# Altium PCB openmv-ae3.PcbDoc (part 4 of 5)
Units mil, origin at the board's own origin, x right, y up, seen from the top; angles counter-clockwise.
Board outline 1400 x 1750 mil, 10 copper layers (Top, L2G, L3V, L4P, L5H, L6V, L7P, L8H, L9G, Bottom Layer), stack 46.28 mil thick; 351 components, 311 nets, 1344 pads, 643 vias.
Unrouted connection lines stored in the file: 8.
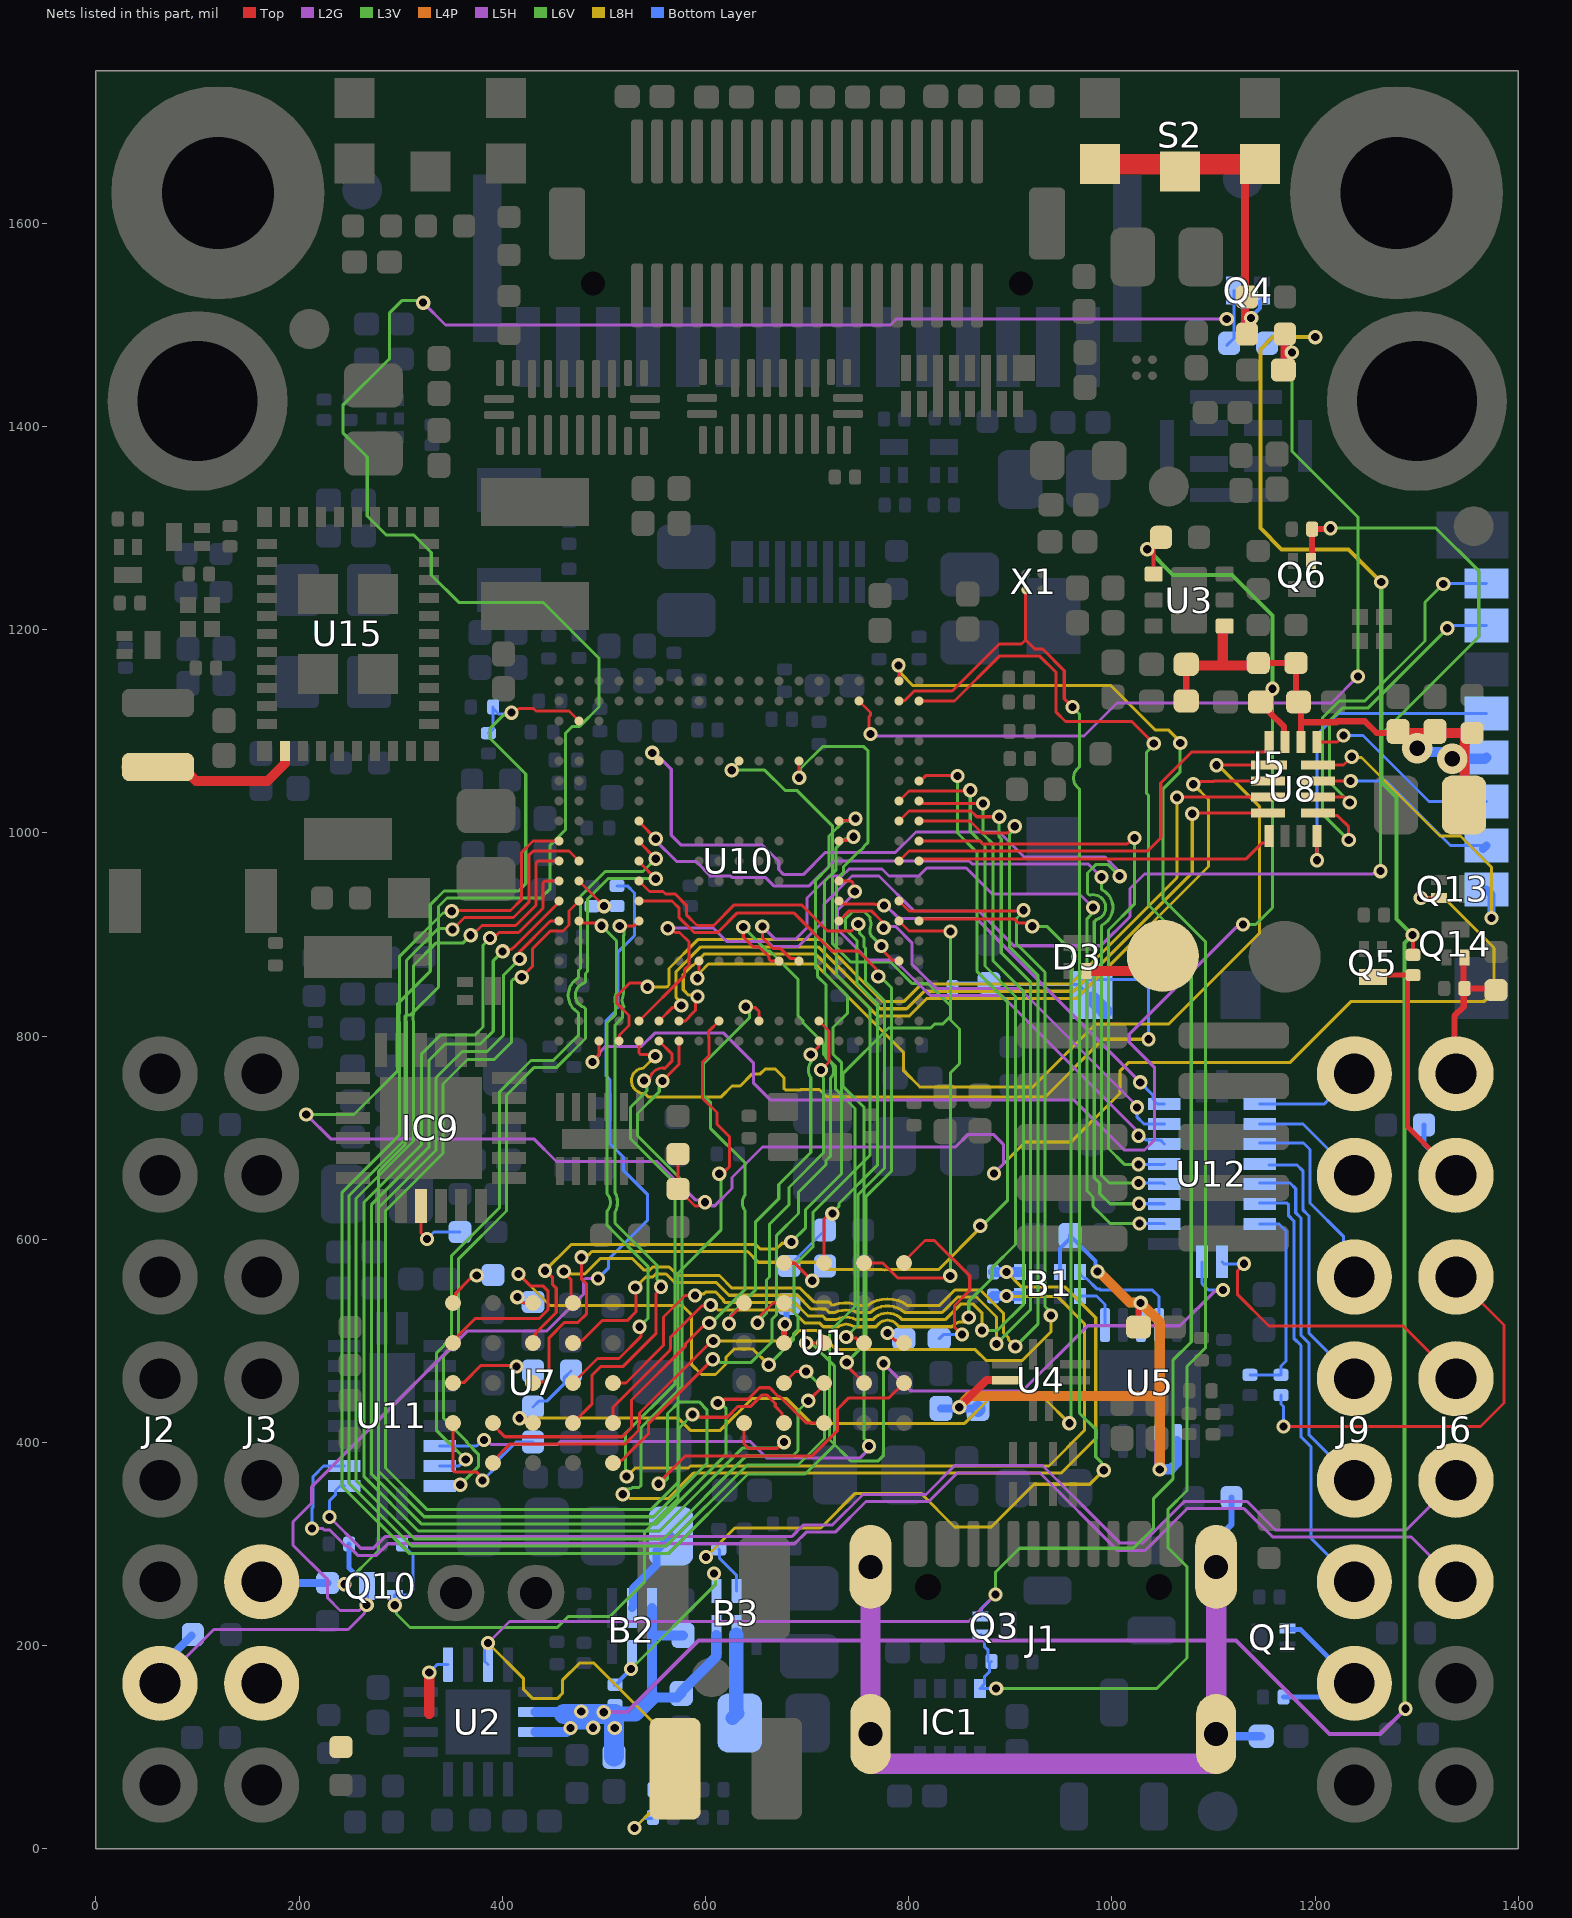
[diagram p12: the nets of this part, all layers, seen from the top]

## Via types
v1: diameter 14, hole 8, Top to Bottom Layer, tented both sides, 631 vias
v2: diameter 25, hole 15, Top to Bottom Layer, tented both sides, 7 vias
v3: diameter 30, hole 15, Top to Bottom Layer, tented both sides, 3 vias
v4: diameter 14/14/0/14/14/14/14/0/14/14 (per signal layer), hole 8, Top to Bottom Layer, tented both sides, 2 vias

## Nets (pads, with @x,y where several pads share a name; then routed paths per layer and width w, separated by ;. In a path a pad name is that pad's centre, name@x,y a point inside that pad or via, vN(x,y) a via of type N, cw(c..) or ccw(c..) an arc to the next point about the centre after c; other vN are vias at no path point) (continued)
P5_SDA_INT: U10.R10 U11.7 | length 1349.3
  Top w3: v1(625.69,1061.8) 625.69,1062.74 632.87,1069.92 U10.R10@632.87,1070.87
  L5H w3: v1(381.99,402.57) 384.67,402.57 389.25,398 454,398 457,401 644,401 660,385 752.22,385 757.09,389.87 ; 757.09,389.89 760.72,393.52 v1(760.72,396.5)
  L6V w3: v1(625.69,1061.8) 658.2,1061.8 678.07,1041.93 689.77,1041.93 725.01,1006.68 725.01,890.99 743,873 782,873 803,852 818.9,852 841,829.9 841,819.54 833.68,812.22 825.76,812.22 821.54,808 780,808 735,763 735,750.77 756.05,729.72 756.05,403.76 760.72,399.09 v1(760.72,396.5)
  Bottom Layer w3: U11.7@338.24,396.65 374.73,396.65 380.65,402.57 v1(381.99,402.57)
P6_ADC: D20.1 J2.2 Q10.3 R57.1 R86.1 | length 1369.6
  L5H w3: J2.2@62.99,162.99 116,216 248.24,216 264.3,232.06 264.3,237.98 v1(266.4,240.09) 264.5,240.09 259.14,234.74 240.26,234.74 228,247 228,265 194,299 194,322 212,340 212,356 366,510 443.9,510 479.9,546 479.9,559.74 481.66,561.5 v1(494.22,561.5)
  Bottom Layer w3: v1(494.22,561.5) 504.3,571.57 504.3,580.3 542.99,618.99 542.99,643.99 518.96,668.02 518.96,681.04 506,694 506,757 502,761 502,815.24 511.41,824.65 511.41,826.41 514,829 514,883 530,899 530,941 523.04,947.96 R57.1@512.8,947.99
  Bottom Layer w5: R86.1@249.17,300.2 249.17,276.42 255.6,269.99 261.36,269.99 266.73,264.61 Q10.3@266.73,258.86 266.4,258.53 v1(266.4,240.09)
  Bottom Layer w8: J2.2@62.99,162.99 62.99,178.99 88.52,204.52 88.59,204.52 94,209.93 D20.1@94,210
P6_ADC_ANALOG: R57.2 R58.2 U10.J18 | length 34.9
  Top w3: U10.J18@475.39,952.76 500,928.15 v1(500,928)
P6_ADC_DIGITAL: Q10.2 R85.1 U10.B11 | length 965.5
  Top w3: U10.B11@613.19,814.96 603,804.77 603,799.29 603.29,799 603.29,780.64 597,774.35 597,739 611.15,724.85 611.15,713.39 623.56,700.97 623.56,671.59 620.48,668.5 620.33,668.5 616.42,664.59 v1(613.44,664.59)
  L6V w3: v1(294.03,239.87) 295.71,238.18 295.71,231.29 309,218 454,218 465,229 506,229 540,263 540,312 573,345 573,567 615.03,609.03 615.03,663 v1(613.44,664.59)
  Bottom Layer w3: v1(294.03,239.87) 294.03,249.73 Q10.2@294.29,250 307,250 312,255 312,289.38 307.18,294.2 306.49,294.2 301.18,299.51 R85.1@301.18,300.2
P7_PWM: J6.3 U11.13 | length 1335.6
  L5H w3: v1(212.51,315.42) 223.37,315.42 224.61,314.18 229.82,314.18 246,298 248.57,298 257.57,289 275.9,289 287.34,300.44 687.56,300.44 699,311.89 727.69,311.89 757.8,342 819.76,342 847.76,370 929.1,370 1005.1,294 1032.91,294 1073.91,335 1130.1,335 1158.1,307 1294.57,307 J6.3@1338.58,262.99
  Bottom Layer w3: v1(212.51,315.42) 212.51,335.48 213.69,336.67 213.69,366.69 223.97,376.97 U11.13@244.43,376.97
P7_PWM_INT: U10.L15 U11.8 | length 786.1
  Top w3: U10.L15@534.45,991.24 v1(551,974.68)
  L6V w3: v1(363.88,383.35) 335,412.23 335,487.9 343,495.9 343,497 350,504 350,583.9 397,630.9 397,744.9 428.1,776 450.1,776 474.77,800.67 474.77,822.9 473.89,823.78 473.67,824 cw(c484.3,840.35) 473.67,856.7 473.88,856.9 474.77,857.79 474.77,864.67 476.8,866.7 476.8,914.76 476.8,937.7 501.1,962 538.32,962 v1(551,974.68)
  Bottom Layer w3: U11.8@338.24,376.97 357.07,376.97 363.45,383.35 v1(363.88,383.35)
P8_PWM: J6.4 U11.12 | length 1274.9
  L5H w3: v1(229.79,326.68) 260.47,296 273,296 284.44,307.44 684.66,307.44 696.1,318.89 724.79,318.89 754.9,349 816.86,349 845.24,377.38 931.62,377.38 1008,301 1030.01,301 1071.01,342 1133,342 1161,314 1289.59,314 J6.4@1338.58,362.99
  Bottom Layer w3: v1(229.79,326.68) 229.79,342.64 235.79,348.64 235.79,352.88 240.19,357.28 U11.12@244.43,357.28
P8_PWM_INT: U10.K15 U11.9 | length 778.1
  Top w3: U10.K15@534.45,972.44 534.45,971.55 v1(551,955)
  L6V w3: v1(358.58,358.5) 376.38,376.29 376.38,388.53 364.9,400 364.9,401 342,423.9 342,485 357,500 357,581 404,628 404,742 431,769 453,769 481.77,797.77 481.77,827.11 480.89,827.99 480.41,828.47 cw(c484.3,840.35) 480.41,852.23 480.89,852.7 481.77,853.58 481.77,861.77 483.8,863.8 483.8,934.8 504,955 v1(551,955)
P9_PWM: J6.5 U12.20 | length 304.9
  Top w3: v1(1130,576) 1130,575.51 1123.35,568.87 1123.35,545.94 1154.53,514.76 1286.81,514.76 J6.5@1338.58,462.99
  Bottom Layer w3: U12.20@1108.27,577.96 1110.23,576 v1(1130,576)
P9_PWM_INT: U10.E8 U12.1 | length 1204.4
  Top w3: v1(637.08,907.5) 637.08,897.62 646.85,887.84 652.57,887.84 662.35,878.07 662.35,875.77 664.1,874.02 U10.E8@672.24,874.02
  L5H w3: v1(775,478) 802,451 912,451 976,515 1067,515 1100.61,548.61 1107.87,548.61 v1(1109.37,550.11)
  L6V w3: v1(637.08,907.5) 660.78,883.79 663.31,883.79 691,856.1 691,820 696,815 696,813 716,793 716,781.92 728,769.92 728,747.87 747,728.87 747,534 722,509 722,403 743,382 770,382 775,387 v1(775,478)
  Bottom Layer w3: U12.1@1088.58,577.96 1088.58,556.42 1094.89,550.11 v1(1109.37,550.11)
P10_PWM: J6.6 R54.1 | length 402.1
  Top w3: v1(1168.79,415.8) 1362.65,415.8 1385.83,438.98 1385.83,515.74 J6.6@1338.58,562.99
  Bottom Layer w3: R54.1@1166.34,446.69 1166.34,437.99 1168.79,435.54 v1(1168.79,415.8)
P11_WAKEUP: D15.1 J6.7 Q5.3 R60.1 | length 321.2
  Top w5: Q5.3@1256.89,858.27 1258.7,860.08 R60.1@1295.03,860.08 ; R60.1@1296.26,860.08 R60.1@1295.03,860.08 ; J6.7@1338.58,662.99 1291,710.57 1291,854.82 1291.57,855.39 1291.57,856.62 R60.1@1295.03,860.08
  Bottom Layer w5: D15.1@1307.08,712.6 1307.08,694.49 J6.7@1338.58,662.99
P12_RST_N: D22.1 J6.8 Q14.2 R90.1 | length 158.1
  Top w6: J6.8@1338.58,762.99 1337,764.57 1337,820 1346.19,829.19 1346.19,851.14 1345.84,851.5 Q14.2@1345.84,877.83 ; R90.1@1347,847 1380,847 D22.1@1384,843
P13_SDA: J9.3 U12.17 | length 427.2
  Bottom Layer w3: U12.17@1145.33,635.83 1172.12,635.83 1173.88,634.07 1173.88,623.25 1179.02,618.11 1179.02,502.75 1186.02,495.75 1186.02,405.65 1195.87,395.8 1195.87,305.7 J9.3@1238.58,262.99
P13_SDA_INT: U10.R14 U12.4 | length 1032.9
  L3V w3: v1(1007.54,957.5) 995.88,969.17 984.38,969.17 975.9,960.68 975.9,940.8 976.78,939.92 977.66,939.04 978.9,939.04 979.15,939.04 cw(c981.34,926.74) 987.36,915.78 cw(c981.34,926.74) 984.89,914.75 ccw(c985.76,911.88) 984.42,914.57 982.56,912.72 982.56,660.54 987.97,655.13 987.97,645.03 997.94,635.06 v1(1026.46,635.06)
  L5H w3: v1(547.54,1078.87) 550.16,1078.87 566.18,1062.86 566.18,997.82 576,988 656,988 672,972 672,964 677,959 696,959 718,981 787,981 807,1001 889,1001 913.44,976.56 992.84,976.56 1005.44,963.96 1005.44,959.61 v1(1007.54,957.5)
  Bottom Layer w3: v1(1026.46,635.06) 1051.31,635.06 U12.4@1051.52,634.84
P14_SCL: J9.4 U12.16 | length 348.6
  Bottom Layer w3: U12.16@1145.33,655.51 1175.2,655.51 1180.88,649.83 1180.88,626.15 1186.02,621.01 1186.02,505.65 1193.9,497.77 1193.9,407.67 J9.4@1238.58,362.99
P14_SCL_INT: U10.M15 U12.5 | length 866.4
  Top w3: U10.M15@534.45,1010.92 v1(551,994.37)
  L3V w3: v1(989.56,956.67) 989.56,945 990.44,944.12 990.73,943.83 cw(c981.34,926.74) 990.73,909.65 990.44,909.36 989.56,908.48 989.56,663.44 997.45,655.55 v1(1026.15,655.55)
  L5H w3: v1(551,994.37) 551,992.36 571.52,971.84 590.68,971.84 605.05,957.47 624.83,957.47 626.29,956 659.15,956 667.15,948 701.9,948 726.4,972.5 859.4,972.5 862.34,969.56 976.67,969.56 v1(989.56,956.67)
  Bottom Layer w3: v1(1026.15,655.55) 1050.49,655.55 U12.5@1051.52,654.53
P15_SSEL: J9.5 U12.15 | length 261.2
  Bottom Layer w3: U12.15@1154.53,673.23 1182.09,673.23 1187.88,667.43 1187.88,629.05 1193.9,623.03 1193.9,507.67 J9.5@1238.58,462.99
P15_SSEL_INT: U10.L1 U12.6 | length 593.7
  Top w3: U10.L1@810.04,992.13 869.87,992.13 872.77,989.23 1014.99,989.23 1020.77,995 v1(1022.25,995)
  L3V w3: v1(1022.25,995) 1022.34,994.92 1022.34,930.26 996.56,904.48 996.56,689.44 1012.15,673.85 v1(1026.13,673.85)
  Bottom Layer w3: v1(1026.13,673.85) 1051.15,673.85 U12.6@1051.52,674.21
P16_SCLK: J9.6 U12.14 | length 195.8
  Bottom Layer w3: U12.14@1145.33,694.94 1188.42,694.94 1194.88,688.47 1194.88,635.83 1227.98,602.73 1227.98,573.59 J9.6@1238.58,562.99
P16_SCLK_INT: U10.J5 U12.7 | length 479
  Top w3: U10.J5@731.3,952.76 743.24,952.76 745,951 745,944.27 v1(746.76,942.5)
  L5H w3: v1(746.76,942.5) 746.76,940.97 730,924.21 730,905 760,875 786,875 821,840 891.56,840 1022.69,708.87 1022.69,708.51 1026.15,705.04 v1(1026.15,702.07)
  Bottom Layer w3: v1(1026.15,702.07) 1029.13,702.07 1033.23,697.96 1047.45,697.96 U12.7@1051.52,693.9
P17_MISO: J9.7 U12.13 | length 114.2
  Bottom Layer w3: U12.13@1145.33,713.58 1187.99,713.58 J9.7@1238.58,662.99
P17_MISO_INT: U10.G5 U12.8 | length 433.5
  Top w3: U10.G5@731.3,913.39 740.91,923 763.53,923 771.71,914.83 771.71,914.66 773.16,913.2 773.16,908.82 v1(775.27,906.71)
  L5H w3: v1(775.27,906.71) 776.68,908.12 786.88,908.12 803,892 803,871 827,847 908.97,847 1024.61,731.36 v1(1024.61,729.99)
  Bottom Layer w3: v1(1024.61,729.99) 1024.76,729.84 1024.76,720.24 1031.42,713.58 U12.8@1051.52,713.58
P18_MOSI: J9.8 U12.12 | length 105.6
  Bottom Layer w3: U12.12@1145.33,733.27 1208.86,733.27 J9.8@1238.58,762.99
P18_MOSI_INT: U10.H5 U12.9 | length 405.5
  Top w3: U10.H5@731.3,933.07 732.84,933.07 735.91,930 766.43,930 766.67,929.76 774.45,929.76 v1(775.69,928.52)
  L5H w3: v1(775.69,928.52) 777.61,928.52 790.12,916 866.37,916 v1(1027.77,754.6)
  Bottom Layer w3: v1(1027.77,754.6) 1040.45,741.92 1040.45,737.67 1044.86,733.27 U12.9@1051.52,733.27
PFLASH_CS2#: R33.2 U7.A3 | length 70.2
  Top w3: U7.A3@351.38,458.66 351.71,458.99 361.99,458.99 379,476 413,476 v1(414,475)
PFLASH_CS#: R32.2 R33.1 U7.C2 U10.G1 | length 1276.2
  Top w3: U10.G1@810.04,913.39 811.58,913.39 813.7,915.5 903.82,915.5 907.82,911.5 916.4,911.5 917.09,912.19 917.57,912.19 918.81,912.19 921.53,909.47 v1(921.53,908.15)
  L3V w3: v1(921.53,908.15) 935.85,908.15 961,883 961,865 959.5,863.5 959.5,420.5 v1(958,419)
  L8H w3: v1(417,424) 573,424 585,412 614.5,412 645.76,443.26 679.74,443.26 704,419 855,419 879,443 934,443 v1(958,419)
  Bottom Layer w3: R32.2@430.12,435.04 435.88,440.8 443.69,440.8 460.75,457.87 460.75,463.71 R33.1@467.52,470.47
PFLASH_D0: U7.D3 U10.G18 | length 546.1
  Top w3: U7.D3@469.49,458.66 493.65,482.82 514.82,482.82 536.26,504.26 536.26,512.74 v1(535,514) ; U10.G18@475.39,913.39 476.94,913.39 479.08,911.24 v1@492.05,911.24
  L3V w3: v1(497.56,908.71) 512.39,893.87 512.39,843.19 ccw(c530.37,835.65) 510.87,835.65 510.87,833.44 cw(c498.91,829.83) 511.41,829.83 cw(c314.48,829.82) 511.22,821.22 ; 511.41,827.53 511.41,821.41 511.22,821.22 ; v1(535,514) 543.21,522.21 543.21,573.66 503,613.87 503,627.9 ccw(c493.86,636.42) 503,644.95 503,813 511.22,821.22
PFLASH_D1: U7.D2 U10.G15 | length 584.7
  Top w3: U7.D2@469.49,419.29 488,437.8 488,466 497,475 519,475 551,507 551,546.16 556.07,551.23 v1(556.07,553.42) ; v1(515.56,908.59) 529.65,908.59 U10.G15@534.45,913.39
  L3V w3: v1(515.56,908.59) 519.7,904.45 519.7,899.24 519.39,898.93 519.39,841.62 ccw(c530.37,835.65) 519.7,829.13 519.7,828.67 ; 519.67,828.67 518.41,827.41 518.41,818.51 510.76,810.86 510.76,646.14 cw(c493.86,636.42) 510.76,626.71 510.76,616.01 552,574.77 552,561.09 552.74,560.35 552.74,559.73 556.07,556.39 v1(556.07,553.42)
PFLASH_D2: U7.C4 U10.L5 | length 812.9
  Top w3: U7.C4@430.12,498.03 432.32,500.24 432.32,507.32 453,528 453,552 449.5,555.5 449.5,562.32 442.73,569.09 v1(441.83,569.09) ; U10.L5@731.3,992.13 732.05,992.87 739.12,992.87 742.49,996.24 v1(745.47,996.24)
  L3V w3: v1(684.4,597.49) 698.5,611.59 698.5,629.4 733.55,664.45 733.55,774.27 725.47,782.35 725.47,808.47 739.82,822.82 739.82,839.5 722,857.32 722,857.41 717,862.41 717,952.2 728.52,963.72 728.52,985.45 737.26,994.18 743.41,994.18 v1(745.47,996.24)
  L8H w3: v1(441.83,569.09) 467.74,595 649.3,595 653.8,590.5 669.71,590.5 675.42,596.21 683.12,596.21 v1(684.4,597.49)
PFLASH_D3: U7.D4 U10.M2 | length 1171.4
  Top w3: U7.D4@469.49,498.03 471.93,500.47 478.47,500.47 498,520 522.77,520 531.53,528.76 531.53,551.72 v1(530.71,552.54) ; U10.M2@790.35,1011.81 800.25,1021.71 861.29,1021.71 867,1016 v1(889,1016)
  L3V w3: v1(886.28,497.22) 920,530.94 920,853 891,882 891,994.17 888.93,996.25 888.93,1015.93 v1(889,1016)
  L8H w3: v1(530.71,552.54) 541.17,563 ; 541,563 541.17,563 ; v1(886.28,497.22) 886.28,523.65 866.66,543.27 848.17,543.27 832.9,528 796.38,528 ccw(c779.03,507.96) 761.69,528 749.62,528 ccw(c738.36,504.01) 727.11,528 721.7,528 718.2,531.5 703.6,531.5 690.1,545 623.11,545 610.74,557.37 569.8,557.37 561.25,565.92 550.9,565.92 547.98,563 541.17,563
PFLASH_D4: U7.D5 U10.M1 | length 1190.2
  Top w3: v1(460.4,568.44) 460.4,567.72 467.43,560.7 467.43,539.46 U7.D5@469.49,537.4 ; U10.M1@810.04,1011.81 860.19,1011.81 872,1000 897.18,1000 903.78,1006.6 v1(904.35,1006.6)
  L3V w3: v1(904.35,1006.6) 904.35,1004.37 899.32,999.35 899.32,994.49 899,994.17 899,888 927,860 927,516.59 v1(904.88,494.47)
  L8H w3: v1(460.4,568.44) 462.51,566.34 467.32,566.34 467.66,566 481,566 496,581 528,581 539,570 545.08,570 548,572.92 564.15,572.92 572.7,564.37 613.64,564.37 626.01,552 693,552 706.5,538.5 721.1,538.5 724.38,535.22 725.62,535.22 ; 725.63,535.22 726.18,535.22 cw(c738.36,504.01) 751.09,535 759.25,535 cw(c779.03,507.96) 798.81,535 830,535 845.27,550.27 870.38,550.27 891.25,529.4 892.09,528.56 893.28,527.37 893.28,507.9 898.11,503.06 898.11,501.24 898.58,500.78 v1(904.88,494.47)
PFLASH_D5: U7.E3 U10.N1 | length 1085.8
  Top w3: U7.E3@508.86,458.66 521.66,458.66 558.67,495.67 558.67,523.67 579.76,544.76 589.39,544.76 v1(589.5,544.87) ; U10.N1@810.04,1031.5 811.58,1031.5 814.02,1029.05 v1@872.95,1029.05
  L3V w3: v1(871.95,510.5) 887.4,510.5 913,536.1 913,844 883,874 883,989 873,999 v1(873,1029)
  L8H w3: v1@589,545 590.42,546.42 598.21,546.42 599.82,548.03 610.18,548.03 617.5,540.71 617.5,539.5 619.26,537.74 621.74,537.74 622,538 687.2,538 700.7,524.5 715.3,524.5 718.8,521 728.79,521 cw(c738.36,504.01) 747.94,521 764.53,521 cw(c779.03,507.96) 793.53,521 835.8,521 851.02,536.23 863.5,536.23 871.95,527.78 v1(871.95,510.5)
PFLASH_D6: U7.E2 U10.N2 | length 1063.3
  Top w3: U7.E2@508.86,419.29 508.86,434.86 564.93,490.93 564.93,492.03 565.67,492.77 565.67,503.84 596.05,534.22 603.69,534.22 v1(605,535.53) ; U10.N2@790.35,1031.5 800.24,1041.38 859.94,1041.38 v1(860.57,1042.02)
  L3V w3: v1(859,523) 859,539 882,562 882,572 905,595 905,839 875,869 875,987.1 860.5,1001.6 860.5,1041.95 v1(860.57,1042.02)
  L8H w3: v1(605,535.53) 607.28,535.53 612.26,530.55 684.75,530.55 697.8,517.5 712.4,517.5 715.9,514 730.85,514 cw(c738.36,504.01) 745.88,514 767.68,514 768.56,514.88 768.75,515.06 cw(c779.03,507.96) 789.32,515.06 789.5,514.88 790.38,514 842.36,514 843.23,514.88 cw(c852.31,506.29) 853.38,518.74 853.5,518.74 854.74,518.74 v1(859,523)
PFLASH_D7: U7.E1 U10.M5 | length 799.7
  Top w3: U7.E1@508.86,379.92 511.3,382.36 517.36,382.36 527.92,392.92 544,409 544,419 v1(607,482) ; U10.M5@731.3,1011.81 731.78,1012.3 745.67,1012.3 v1(747.5,1014.12)
  L3V w3: v1(607,482) 609.1,479.9 613.36,479.9 614.26,479 645,479 665.49,499.49 665.49,521.6 670,526.11 670,604 691.5,625.5 691.5,646.5 718.47,673.47 718.47,677.57 723.14,682.24 723.14,758.63 ccw(c713.57,766.67) 719.63,777.6 719.35,777.88 718.47,778.76 718.47,850.63 710,859.1 710,866 708,868 708,953.1 721.52,966.62 721.52,997.13 736.37,1011.98 740.24,1011.98 740.28,1012.02 745.4,1012.02 v1(747.5,1014.12)
PFLASH_DQSM: U7.C3 U10.P1 | length 1098.4
  Top w3: U7.C3@430.12,458.66 431.05,459.59 440.69,459.59 446,464.9 446,503.27 461.08,518.34 474.44,518.34 483,526.9 483,556 477.73,561.27 v1(477.75,582.34) ; U10.P1@810.04,1051.18 811.58,1051.18 817.2,1056.8 847.2,1056.8 v1(848,1056)
  L3V w3: v1(848,1056) 848,1000 867,981 867,864 897,834 897,638 872.34,613.34 v1(870.35,613.34)
  L8H w3: v1(477.75,582.34) 479.85,584.45 484.44,584.45 487.99,588 641.38,588 651.88,577.5 709.5,577.5 716.78,570.22 773.4,570.22 ccw(c776.3,589.5) 779.2,570.22 829.22,570.22 870.35,611.35 v1(870.35,613.34)
PFLASH_INT#: R30.2 U7.A5 | length 38.7
  Top w3: U7.A5@351.38,537.4 353.64,539.66 353.64,546.64 367.98,560.98 368.29,560.98 371.78,564.47 v1(374.76,564.47)
PFLASH_RST#: U7.A4 U10.R7 | length 1278.2
  Top w3: U7.A4@351.38,498.03 351.38,500.38 373,522 436,522 445,531 445,549 439.77,554.23 427.55,554.23 v1(415.84,565.94) ; U10.R7@691.93,1070.87 691.93,1054.61 v1(692.11,1054.43)
  L3V w3: v1(662.16,476.58) 686.5,500.92 686.5,507.25 691.12,511.87 ; 691,512 691,524 687,528 687,574 705.5,592.5 705.5,626.5 762,683 762,827.22 729,860.22 729,954.3 735.52,960.82 735.52,966.52 750.76,981.76 ccw(c745.08,992.89) 756.22,987.22 760,991 760,1080.71 755.71,1085 715,1085 693.4,1063.4 693.4,1055.72 v1(692.11,1054.43)
  L8H w3: v1(415.84,565.94) 446.78,535 577,535 586,526 586,477 596,467 609.68,467 620,477.32 620,484 628,492 646.74,492 v1(662.16,476.58)
PFLASH_RSTO#: R31.2 U7.A2 | length 149.5
  Top w3: U7.A2@351.38,419.29 351.38,372.62 353.15,370.85 356.45,370.85 ccw(c356.43,373.85) 356.8,370.87 cw(c358.58,358.5) 360.28,370.88 ccw(c360.74,373.85) 360.7,370.85 374.83,370.85 380.45,365.24 v1(380.45,362.68)
  Bottom Layer w3: v1(380.45,362.68) 396,378.24 396,383 413.59,400.59 R31.2@430.12,400.59
PFLASH_SCLK_N: U7.B1 U10.H2 | length 1198
  Top w3: U7.B1@390.75,379.92 390.75,381.85 407.63,398.73 520.9,398.73 534,411.84 534,418 535,419 535,429.04 601.88,495.92 605.62,495.92 607.38,497.68 607.38,499.88 v1(607.49,499.99) ; U10.H2@790.35,933.07 800.25,923.17 912.17,923.17 v1(913,924)
  L3V w3: v1(913,924) 913,922.74 906,915.74 906,890.9 934,862.9 934,533.92 936.22,531.7 936.22,531.62 939.82,528.02 v1(939.82,525.04)
  L8H w3: v1(607.49,499.99) 681.99,499.99 692.5,510.5 709.5,510.5 728.49,491.51 865.49,491.51 876,481 912,481 939.82,508.82 v1(939.82,525.04)
PFLASH_SCLK_P: U7.B2 U10.B9 | length 673.1
  Top w3: U7.B2@390.75,419.29 390.75,417.36 402.37,405.73 518,405.73 527,414.73 527,442 580.45,495.45 580.45,497.57 596.92,514.05 597.15,514.05 600.68,517.58 v1(603.66,517.58) ; v1(639.5,829) 640.38,828.12 648.88,828.12 652.56,824.44 U10.B9@652.56,814.96
  L3V w3: v1(603.66,517.58) 605.58,517.58 638.94,550.94 638.94,628.15 cw(c648.65,636.03) 638.94,643.9 638.94,675.09 605,709.04 605,734.58 598,741.58 598,742.61 598,773 643,818 643,822.52 639.5,826.02 v1(639.5,829)
PFLASH_WP#: R29.2 U7.C5 | length 17.8
  Top w3: v1(414.71,543.13) 420.42,537.42 U7.C5@430.12,537.4
PG_1V8: B3.2 R16.1 U10.V2 X1.B2 | length 1558.8
  Top w3: U10.V2@790.35,1129.92 791.01,1130.58 796.21,1130.58 805.34,1139.71 842.71,1139.71 889,1186 911,1186 915,1190 ; X1.B2@915,1239.25 915,1190 ; v1(961,1124) 953,1132 953,1159.8 931.8,1181 924,1181 915,1190
  L3V w3: v1(961,1124) 968,1117 968,1065.16 967.12,1064.28 966.98,1064.14 ccw(c974.5,1054.16) 966.98,1044.17 967.12,1044.03 968,1043.15 968,429 984,413 984,386 989.84,380.16 989.84,374.92 v1(991.95,372.82)
  L8H w3: v1(600.39,287.4) 628.85,315.86 713.27,315.86 747.42,350 812,350 845,317 881.29,317 923.29,359 978.13,359 v1(991.95,372.82)
  Bottom Layer w3: R16.1@613,295 613.74,294.26 613.74,286.26 630.24,269.76 B3.2@630.24,254.07
PG_3V3: B2.2 B3.1 R19.1 | length 152
  L3V w3: v1(526.57,177.17) 609.89,260.48 609.89,269.43 v1(608.16,271.16)
  Bottom Layer w4: R19.1@510.83,161.57 511.79,161.57 515.71,165.5 515.71,166.46 526.42,177.17 v1(526.57,177.17)
PGOOD: Q3.2 R4.1 R14.2 U2.7 U10.V1 | length 2280.5
  Top w3: U10.V1@810.04,1129.92 845.02,1129.92 889.1,1174 928.9,1174 945,1157.9 945,1118.9 954.24,1109.66 1019.57,1109.66 v1(1041.06,1088.17)
  L3V w3: v1(885.36,250.48) 885.36,272.36 909,296 1021,296 1041,316 1041,345.1 1059.9,364 1059.9,480.9 1078,499 1078,887.2 1036,929.2 1036,1037.1 1034.06,1039.04 1034.06,1079.36 1042,1087.3 v1@1042,1089
  L8H w3: v1(385.83,202.76) 421,167.58 421,157 430,148 454,148 459,153 459,166 476,183 490,183 550,123 550,40.62 v1(529.98,20.6)
  L5H w3: v1(385.83,202.76) 407.07,224 858.88,224 v1(885.36,250.48)
  Bottom Layer w3: v1@382.2,199.49 382.2,185.12 U2.7@385.82,181.5 ; v1(529.98,20.6) 539.41,30.02 547.05,30.02 R4.1@548.15,31.12 548.69,31.66 R14.2@548.69,58.38 ; Q3.2@870.36,228.79 871.33,229.75 871.33,236.45 v1(885.36,250.48)
PMIC_ONOFF: D8.1 J3.3 Q4.3 R59.1 | length 2566.7
  L5H w3: v1(322,1522) 344,1500 782,1500 788,1506 v1@1112,1506
  L6V w3: v1(244.7,260.52) 278,293.82 278,667 304,693 304,819.24 305.76,821 309.74,821 337.03,848.29 337.03,927.56 345.47,936 438,936 447,945 447,988 462,1003 462,1098 469,1105 476,1105 495,1124 495,1172 440,1227 357,1227 330,1254 330,1276 312.53,1293.47 285.53,1293.47 267,1312 267,1370 243,1394 243,1421 289,1467 289,1512 301,1524 314.7,1524 314.89,1523.81 319.85,1523.81 v1@321.96,1521.7
  Bottom Layer w3: R59.1@1113,1480 1120.22,1487.22 Q4.3@1120.22,1534
  Bottom Layer w5: J3.3@162.99,262.99 J3.3@164.28,261.7
  Bottom Layer w8: J3.3@164.28,261.7 D8.1@228,261.7
  other v1: 1113,1506
POWER_SW: Q4.2 R72.1 R73.1 S2.2 S2.3 S2.4 | length 352.4
  Top w8: R73.1@1130.91,1491.14 1130.91,1643.52 S2.2@1145.74,1658.35
  Top w20: S2.4@988.26,1658.35 S2.2@1145.74,1658.35
  Bottom Layer w4: v1@1137,1508 1145.56,1516.56 1145.56,1522.93 Q4.2@1147.78,1525.14
  other v1: 1137,1507
POWER_SW_INT: C137.2 R73.2 U10.V4 | length 928.6
  Top w3: U10.V4@750.98,1129.92 762.37,1118.53 762.37,1115.78 760.88,1114.29 760.88,1106.18 760.93,1106.14 760.93,1098.77 v1(762.37,1097.32)
  Top w8: C137.2@1166.73,1455.71 1169.89,1458.87 R73.2@1169.89,1490.76
  L5H w3: v1@760,1099 763.63,1095.37 972.37,1095.37 1005,1128 1216,1128 v1(1242,1154)
  L6V w3: v1(1177,1473) 1177,1376 1242,1311 v1(1242,1154)
PSRAM_CS2#: R26.2 U1.C2 | length 40.4
  Top w6: U1.C2@677.17,498.03 677.17,515.59 v1(677.99,516.42)
  Bottom Layer w6: v1(677.99,516.42) 679.53,517.95 679.53,533.86 R26.2@682.09,536.42
PSRAM_CS#: R18.2 R26.1 U1.A3 U10.E2 | length 507.2
  Top w3: U1.A3@716.54,576.77 716.54,619.76 722.1,625.32 v1(724.75,625.32) ; v1@774.86,883.82 784.09,874.59 789.78,874.59 U10.E2@790.35,874.02
  L3V w3: v1(724.75,625.32) 724.75,625.88 731.36,632.49 731.36,635.26 769,672.9 769,832 749,852 749,893.92 737.8,905.12 737.8,915.48 745.12,922.8 756.2,922.8 761.79,917.21 761.79,915.22 cw(c750.3,910.3) 761.79,905.38 761.79,900.93 763,899.72 763,898.82 v1(772.96,888.86)
  Bottom Layer w3: R26.1@682.09,573.82 R18.2@717.52,609.25
PSRAM_D0: U1.D3 U10.K19 | length 1312.6
  Top w3: v1(368.79,899.33) 370.23,899.33 379.94,909.04 413.12,909.04 433,928.93 433,970.68 434.76,972.44 U10.K19@455.71,972.44 ; v1(701.03,441.08) 716.54,456.58 U1.D3@716.54,458.66
  L3V w3: v1(368.79,899.33) 360.97,891.52 334.52,891.52 312.6,869.6 312.6,821.8 ccw(c324.55,818.13) 312.6,814.46 312.6,696.8 256,640.2 256,362.99 313.99,305 558.01,305 640.01,387 686,387 691,392 691,431.05 v1(701.03,441.08)
PSRAM_D1: U1.D2 U10.K18 | length 1422.2
  Top w3: v1(350.97,905.02) 362.73,916.79 410.96,916.79 426,931.82 426,978.1 430.24,982.34 465.5,982.34 U10.K18@475.39,972.44 ; U1.D2@677.17,458.66 688.5,470 v1(699,470)
  L3V w3: v1(350.97,905.02) 349.88,906.11 337.11,906.11 305.6,874.6 305.6,822.73 ccw(c324.55,818.13) 305.6,813.52 305.6,699.7 249,643.1 249,360.09 311.09,298 560.91,298 640.91,378 691,378 717,404 717,452 v1(699,470)
PSRAM_D2: U1.C4 U10.J15 | length 713.7
  Top w3: U10.J15@534.45,952.76 544.7,942.5 558.11,942.5 560.54,940.07 569.83,940.07 581,928.9 581,919.61 591.61,909 607.9,909 628.15,929.25 694.35,929.25 720,903.6 743.6,903.6 v1(750.3,910.3) ; v1(738.36,504.01) 739.22,503.16 747.77,503.16 752.9,498.03 U1.C4@755.91,498.03
  L3V w3: v1(738.36,504.01) 750,515.65 750,644 776,670 776,835 757.48,853.52 757.48,886.56 756,888.04 756,896.82 751.54,901.28 751.54,909.06 v1(750.3,910.3)
PSRAM_D3: U1.D4 U10.H15 | length 722.8
  Top w3: U10.H15@534.45,933.07 566.93,933.07 574,926 574,916.71 588.71,902 611.9,902 631.27,921.36 686.64,921.36 724.2,883.8 750.27,883.8 767.88,866.19 767.88,860.8 v1(769.98,858.69) ; v1(739,479) 739,475.57 U1.D4@755.91,458.66
  L3V w3: v1(739,479) 757.75,497.75 757.75,641.86 783,667.1 783,847.61 771.92,858.69 v1(769.98,858.69)
PSRAM_D4: U1.D5 U10.G19 | length 1468.2
  Top w3: v1(417,876) 417,883.23 447.16,913.39 U10.G19@455.71,913.39 ; v1(553.76,359.44) 553.76,360.61 580.15,387 705,387 730,412 730,433 741,444 780.61,444 U1.D5@795.28,458.66
  L3V w3: v1(417,876) 401,860 401,801 385,785 360.6,785 334.6,759 334.6,687.69 278,631.09 278,372.1 323.1,327 548.9,327 601.23,379.33 601.23,432.47 593.64,440.07 574.03,440.07 562.6,428.63 562.6,364.38 560.84,362.62 559.92,362.62 556.74,359.44 v1(553.76,359.44)
PSRAM_D5: U1.E3 U10.H19 | length 1243.4
  Top w3: v1(400.29,883.5) 402.16,885.37 408.69,885.37 410.08,886.75 410.63,886.75 455.71,931.84 U10.H19@455.71,933.07 ; v1(611.98,438.85) 614.96,438.85 618.76,442.66 641.66,442.66 653,454 663,454 671.65,445.35 672.94,445.35 699,419.29 U1.E3@716.54,419.29
  L3V w3: v1(400.29,883.5) 391,874.21 391,805 378.5,792.5 344.1,792.5 327.6,776 327.6,690.59 271,633.99 271,369.2 320.2,320 551.8,320 620.29,388.49 620.29,433.39 614.83,438.85 v1(611.98,438.85)
PSRAM_D6: U1.E2 U10.H18 | length 1169.9
  Top w3: v1(418.99,858.11) 429.5,868.62 429.5,885.83 447.16,903.49 459.65,903.49 465.61,909.44 465.61,923.28 U10.H18@475.39,933.07 ; v1(587.11,427.57) 589.22,425.46 593.86,425.46 594.37,424.95 621.25,424.95 631.95,435.66 644.56,435.66 655.9,447 660.1,447 668.57,438.54 668.57,435.66 675.3,428.92 675.3,421.16 U1.E2@677.17,419.29
  L3V w3: v1(418.99,858.11) 416.97,856.08 410.76,856.08 409,854.33 409,794 392,777 365.6,777 341.6,753 341.6,684.79 285,628.19 285,375 326,334 546,334 574,362 574,414.45 v1(587.11,427.57)
PSRAM_D7: U1.E1 U10.J19 | length 1245.6
  Top w3: v1(387.88,896.54) 389.99,898.65 393.32,898.65 396.72,902.04 416.02,902.04 440,926.03 440,951 441.76,952.76 U10.J19@455.71,952.76 ; U1.E1@639.42,417.67 U1.E1@637.8,419.29 637.8,398.78 642.57,394 669.95,394 676.36,400.42 v1(677.2,400.42)
  L3V w3: v1(387.88,896.54) 381,889.65 381,809 373.39,801.39 339.24,801.39 320.6,782.75 320.6,693.49 264,636.89 264,366.3 317.3,313 554.7,313 636.21,394.52 669.95,394.52 675.85,400.42 v1(677.2,400.42)
PSRAM_DQSM: U1.C3 U10.L19 | length 1464.8
  Top w3: v1(350.15,923) 350.93,923.79 408.06,923.79 419,934.72 419,981 430.13,992.13 U10.L19@455.71,992.13 ; v1(699,498) U1.C3@716.54,498.03
  L3V w3: v1(350.15,923) 348.42,921.28 341.61,921.28 298.6,878.26 298.6,823.51 ccw(c324.55,818.13) 298.6,812.75 298.6,702.6 242,646 242,357.19 308.19,291 563.81,291 641.81,369 698,369 727,398 727,475 704,498 v1(699,498)
PSRAM_INT#: R24.2 U1.A5 | length 180.3
  Top w3: U1.A5@795.28,576.77 795.28,578.28 816,599 825.19,599 860,564.19 860,550 845,535 845,513.6 v1(852.31,506.29)
  Bottom Layer w3: R24.2@830,502.3 833.99,506.29 v1(852.31,506.29)
PSRAM_RST#: U1.A4 U10.G2 | length 493.3
  Top w3: U1.A4@755.91,576.77 774.46,576.77 789.23,562 833.6,562 833.64,562.04 838.75,562.04 v1(840.86,564.14) ; U10.G2@790.35,913.39 800.14,903.6 814.09,903.6 814.25,903.75 840.25,903.75 v1(841,903)
  L3V w3: v1@840.72,564.28 841,564.57 841,764 850,773 850,807 841,816 v1(841,903)
PSRAM_RSTO#: R23.2 U1.A2 | length 35.1
  Top w3: U1.A2@677.17,576.77 677.41,576.52 687.78,576.52 v1(705.02,559.28)
PSRAM_SCLK_N: U1.B1 U10.A6 | length 342.6
  Top w3: v1(623,517) 625.1,519.1 625.1,524.46 637.8,537.15 U1.B1@637.8,537.4 ; v1(703.5,782) 711.09,789.59 711.09,794.75 U10.A6@711.61,795.28
  L3V w3: v1(623,517) 624.63,518.63 624.63,525.63 649,550 649,617 672,640 672,654 703.5,685.5 703.5,759.27 cw(c713.57,766.67) 703.5,774.08 v1(703.5,782)
PSRAM_SCLK_P: U1.B2 U10.B6 | length 368.9
  Top w3: v1(651,518) 651,520.98 654.13,524.11 654.13,525.13 666.4,537.4 U1.B2@677.17,537.4 ; U10.B6@711.61,814.96 721.51,805.06 721.51,774.61 v1(713.57,766.67)
  L3V w3: v1(651,518) 660,527 660,560 663,563 663,615 682,634 682,651 716.14,685.14 716.14,758.99 715.68,759.46 715.68,764.57 v1(713.57,766.67)
PSRAM_WP#: R25.2 U1.C5 | length 20.4
  Top w3: v1(779.03,507.96) 786.71,500.28 793.02,500.28 U1.C5@795.28,498.03
PWM_FSIN: R28.2 R54.2 U12.18 | length 202.9
  Bottom Layer w3: R28.2@1135.83,466.69 R54.2@1166.34,466.69 1166.34,475.39 1171.26,480.31 1171.26,608.27 1164.37,615.16 U12.18@1145.33,615.16
PWM_FSIN_INT: U10.E7 U12.3 | length 833.3
  Top w3: v1(655.86,908.08) 655.86,897.23 666.92,886.17 673.93,886.17 683.83,876.27 688.13,876.27 690.39,874.02 U10.E7@691.93,874.02
  L3V w3: v1(981.34,926.74) 979.24,924.63 979.24,919.29 975.56,915.61 975.56,647.54 981.34,641.76 981.34,632.66 998.3,615.7 v1(1027.07,615.7)
  L5H w3: v1@655.86,909.86 v1(655.86,908.08) 668.44,895.5 688.5,895.5 699.8,906.8 699.8,936 721.39,957.59 734.28,957.59 741.28,964.59 773.6,964.59 780.6,957.59 809.91,957.59 817.82,965.5 856.5,965.5 882,940 968.08,940 v1(981.34,926.74)
  Bottom Layer w3: v1(1027.07,615.7) 1050.98,615.7 U12.3@1051.52,615.16
RAW: B2.1 B2.6 B3.6 C10.2 C49.2 C50.2 C116.1 D5.1 J3.2 R19.2 R59.2 R60.2 U2.5 U2.10 U2.11 | length 2947.9
  Top w3: 326,131 327.98,132.98
  Top w4: v1(1295.72,899.48) 1296.26,898.94 R60.2@1296.26,880.08
  Top w10: 327.98,132.98 v1(327.98,173.65)
  L3V w4: v1(1289,138) 1288,139 1288,891.77 v1(1295.72,899.48)
  L8H w4: v1(1200,1488) 1158,1488 1146,1476 1146,1300 1167,1279 1233,1279 v1(1265,1247)
  L5H w4: v1(499.74,134.64) 522.51,134.64 592.86,205 1122,205 1214,113 1264,113 v1(1289,138)
  L6V w4: v1(1265,1247) 1265,1050 1279.98,1035.02 1279.98,915.22 v1(1295.72,899.48)
  Bottom Layer w3: v1(327.98,173.65) 335.82,181.5 U2.5@346.45,181.5
  Bottom Layer w4: R59.2@1152.7,1482 1158.7,1488 v1(1200,1488)
  Bottom Layer w10: U2.11@432.48,115.16 432.6,115.28 463.22,115.28 v1(466.97,119.03) 470.72,122.78 v1@488.93,122.78 ; U2.10@432.48,134.84 458.67,134.84 460.63,132.87 ; B2.6@547.24,237.2 547.24,210.24 ; C49.2@577.76,210.24 547.24,210.24 ; B3.6@610.48,210.24 B3.6@610.56,210.31 ; B3.6@610.56,210.76 610.56,189.3 582.42,161.16 582.42,161.03 576,154.62 C50.2@576,153.13 572.12,149.24 547.24,149.24 B2.1@547.24,193.9 547.24,210.24
  Bottom Layer w15: 510.83,132.87 530.87,132.87 547.24,149.24
  Bottom Layer w20: 460.63,132.87 510.83,132.87 509.84,131.89 C10.2@509.84,90.94
  other v1: 489.32,119.36 510.6,119.03 477.65,135.36
REXT: IC9.9 R38.1 | length 70.3
  Top w3: IC9.9@319.88,632.88 319.88,606.3 v1(325.79,600.39)
  Bottom Layer w3: v1(325.79,600.39) 332.68,607.28 R38.1@358.27,607.28
RST_N: C142.2 Q13.2 R48.2 R52.1 R76.1 U10.U18 | length 2292.7
  Top w3: 415.7,1121.87 416.26,1122.43 430.69,1122.43 433.1,1120.02 465.61,1120.02 U10.U18@475.39,1110.24 ; R48.2@572.83,684.06 R52.1@572.83,649.61 589.63,632.82 592.71,632.82 596.39,636.5 v1(599.37,636.5) ; v1(1304,936) Q13.2@1321.83,936
  L8H w3: v1(883.81,664.92) 914.89,696 960,696 1008,744 1008,766 1016,774 1175,774 1235,834 1366,834 1376,844 1376,887 1327,936 v1(1304,936)
  L5H w3: v1(207,723) 231,699 431,699 453.26,676.74 552.26,676.74 590.37,638.63 600.21,638.63 605.73,633.11 609.11,633.11 626,650 626,661 656,691 846,691 858.44,703.44 883.13,703.44 893,693.57 893,674.11 v1(883.81,664.92)
  L6V w3: v1(207,723) 254,723 297,766 297,832 329,864 329,929.43 342.57,943 416,943 423,950 423,1058 388,1093 388,1103 401.34,1116.34 406.75,1116.34 v1(408.86,1118.45)
  Bottom Layer w3: R76.1@386.22,1098.21 386.5,1098.21 390.88,1102.6 C142.2@390.88,1122.52 ; C142.2@390.88,1124.12 C142.2@390.88,1122.52 ; v1(408.86,1118.45) 407.62,1117.21 396.2,1117.21 C142.2@390.88,1122.52
RTC_BAT_IN: D3.2 TP1.1 | length 81.3
  Top w10: D3.2@974.94,864 1018.53,864 1033.53,879 TP1.1@1050,879
SBL: J9.2 Q1.1 R3.1 | length 163.5
  Bottom Layer w5: R3.1@1168.78,149.48 1206.4,149.48 1219.91,162.99 J9.2@1238.58,162.99 1185.36,216.21 1173.96,216.21 Q1.1@1172.96,217.2
SD_CD_INT: D18.1 J5.CD$1 R95.1 U10.A15 | length 906.7
  Top w3: U10.A15@534.45,795.28 534.45,783.51 536.21,781.76 549.1,781.76 v1(550.5,780.36)
  L8H w3: v1(550.5,780.36) 538.83,768.69 ccw(c539.5,756.21) 527.02,756.91 ccw(c539.5,756.21) 540,743.72 540.18,743.72 543.9,740 614.99,740 625.99,751 634,751 646,763 653.89,763 658.48,767.58 668.83,767.58 676.99,759.43 676.99,754.79 677,748.76 678.76,747 693,747 693.47,747.47 712.05,747.47 719.51,740 934,740 991,797 v1(1036,797)
  Bottom Layer w3: R95.1@843,849 846.3,852.3 D18.1@879,852.3 ; D18.1@888,851 966.52,851 J5.CD$1@980.8,836.72 ; J5.CD$1@971.72,856 1027,856 1036,847 v1(1036,797)
  Bottom Layer w15: J5.CD$1@980.8,836.72 J5.CD$1@992.99,824.53
SD_CLK: J5.P$5 U8.8 | length 323.2
  Top w3: U8.8@1201.77,997.05 1201.77,973.23 v1(1201.89,973.11) v1@1202,973
  Bottom Layer w3: v1(1201.89,973.11) 1201.89,1096.89 1222.61,1117.61 J5.P$5@1368.6,1117.61
SD_CLK_INT: U8.5 U10.K1 | length 357.2
  Top w3: U10.K1@810.04,972.44 811.58,972.44 813.71,974.57 1132.05,974.57 1147.45,989.97 1151.7,989.97 1154.53,992.8 U8.5@1154.53,997.05
SD_CMD: J5.P$3 U8.13 | length 196.4
  Top w3: U8.13@1201.77,1089.57 1221.57,1089.57 v1(1228,1096)
  Bottom Layer w3: v1(1228,1096) 1247,1096 1312,1031 J5.P$3@1368.6,1031
SD_CMD_INT: U8.16 U10.K2 | length 448.3
  Top w3: U10.K2@790.35,972.44 800.14,982.23 1035.23,982.23 1048,995 1048,1049.23 1078.51,1079.74 1149.94,1079.74 1150.44,1080.24 1151.7,1080.24 1154.53,1083.07 U8.16@1154.53,1089.57
SD_DAT0: J5.P$7 U8.10 | length 315.9
  Top w3: U8.10@1202.76,1035.43 1228.57,1035.43 v1(1234,1030)
  L3V w3: v1(1234,1030) 1214,1050 1214,1110.35 1226.55,1122.9 1251.8,1122.9 1330,1201.1 v1(1330,1201.55)
  Bottom Layer w3: v1(1330,1201.55) 1332.98,1201.55 1335.66,1204.23 J5.P$7@1368.6,1204.23
SD_DAT0_INT: U8.3 U10.A16 | length 884.4
  Top w3: U10.A16@514.76,795.28 515.31,795.82 515.31,801.25 524.66,810.61 524.66,820.34 513,832 513,840 525.14,852.14 536.36,852.14 539.9,848.6 v1(542.87,848.6) ; v1(1064,1035) 1064.43,1035.43 U8.3@1153.54,1035.43
  L8H w3: v1(542.87,848.6) 562.23,848.6 563.99,850.36 563.99,866.58 592.41,895 713.7,895 774.7,834 794.98,834 812.2,851.22 959.22,851.22 1064,956 v1(1064,1035)
SD_DAT1: J5.P$8 U8.9 | length 418.6
  Top w3: U8.9@1202.76,1019.69 1205.19,1017.25 1221.75,1017.25 1233,1006 v1(1233,993)
  L3V w3: v1(1233,993) 1207,1019 1207,1113.25 1223.65,1129.9 1248.9,1129.9 1308,1189 1308,1227 v1(1326,1245)
  Bottom Layer w3: v1(1326,1245) 1326.57,1245.57 J5.P$8@1368.6,1245.57
SD_DAT1_INT: U8.4 U10.B14 | length 795.6
  Top w3: U10.B14@554.13,814.96 567.57,828.4 574.34,828.4 v1(576.09,830.14) ; v1(1079,1019) 1079.69,1019.69 U8.4@1153.54,1019.69
  L8H w3: v1(576.09,830.14) 576.09,832.88 570.99,837.98 570.99,863.68 595.31,888 710.8,888 771.8,827 797.88,827 815.1,844.22 962.32,844.22 1079,960.9 v1(1079,1019)
SD_DAT2: J5.P$1 U8.12 | length 299.3
  Top w3: U8.12@1202.76,1066.93 1227.93,1066.93 v1(1236,1075)
  L8H w3: v1(1236,1075) 1236.76,1074.24 1245.51,1074.24 1322.75,997 1343,997 1373.59,966.41 v1(1373.59,916.36)
  Bottom Layer w8: J5.P$1@1368.6,944.39 1373.59,939.4 v1(1373.59,916.36)
SD_DAT2_INT: U8.1 U10.E12 | length 937.4
  Top w3: v1(591.9,857.01) 593.5,858.62 U10.E12@593.5,874.02 ; v1(1102.89,1066.66) 1103.16,1066.93 U8.1@1154.53,1066.93
  L8H w3: v1(591.9,857.01) 591.9,859.99 595.47,863.56 595.47,863.71 602.76,871 708,871 795,784 795,766 811,750 922,750 984,812 1056,812 1145,901 1145,1026.19 1104.53,1066.66 v1(1102.89,1066.66)
SD_DAT3: J5.P$2 U8.11 | length 196.9
  Top w3: U8.11@1202.76,1051.18 1234.82,1051.18 v1@1235,1051
  Bottom Layer w3: v1(1234.91,1051.09) 1269.8,1051.09 1333.19,987.69 1365.3,987.69 J5.P$2@1368.6,987.69
  Bottom Layer w8: J5.P$2@1365.3,984.39 J5.P$2@1368.6,987.69
SD_DAT3_INT: U8.2 U10.B13 | length 840.8
  Top w3: U10.B13@573.82,814.96 573.97,815.11 580.18,815.11 583.72,818.65 583.72,819.01 589.93,825.23 589.93,836.91 v1(592.04,839.01) ; v1(1080,1047.93) 1082.1,1050.04 1086.72,1050.04 1087.26,1050.57 1099.79,1050.57 1100.4,1051.18 U8.2@1153.54,1051.18
  L8H w3: v1(592.04,839.01) 590.62,840.43 583.19,840.43 577.99,845.63 577.99,860.78 586.72,869.51 587.51,869.51 599,881 707.9,881 768.9,820 800.78,820 818,837.22 965.22,837.22 1095,967 1095,1032.93 v1(1080,1047.93)
SD_PWR_INT: C19.1 R82.2 U3.1 U8.15 U10.A17 | length 1466.7
  Top w3: v1(488.78,774.5) 488.78,775.46 495.08,781.76 U10.A17@495.08,795.28
  Top w4: U3.1@1041.06,1254.82 R82.2@1041.06,1281.26
  Top w6: C19.1@1146.06,1128.94 1146.06,1128.33 1155.46,1118.93 1155.46,1118.54 1169.41,1104.59 1169.41,1090.43 U8.15@1170.28,1089.57
  L3V w4: v1(1034.74,1279.27) 1060,1254 1118,1254 1158,1214 v1(1158,1142)
  L5H w3: v1(488.78,774.5) 488.78,775.06 495.39,781.67 495.39,783.82 501.57,790 536.91,790 549.91,803 618,803 647,774 647,754.06 664.06,737 963,737 1012,688 1032,688 1042,698 1042,769 1017,794 1017,802 1121.82,906.82 v1@1122.88,906.82
  L6V w3: v1(1128.97,909.93) 1141.47,909.93 1158,926.46 v1(1158,1142)
SD_SEL_INT: Q6.1 R96.2 U10.B15 | length 1495.9
  Top w3: U10.B15@534.45,814.96 579.4,859.91 579.4,865.76 583.61,869.96 583.61,892.81 574.41,902 569.98,902 565.7,906.28 v1(562.72,906.28)
  Top w6: Q6.1@1195.86,1267.78 1197,1268.92 R96.2@1197,1299 1197.14,1299.14 1214.14,1299.14 v1(1215,1300)
  L3V w3: v1(1215,1300) 1319,1300 1361,1258 1361,1193 1264.21,1096.21 v1(1264.21,962.44)
  L5H w3: v1(562.72,906.28) 607.72,906.28 621,893 661.04,893 665.54,888.5 691.4,888.5 716.49,913.59 716.49,929.91 744.18,957.59 770.7,957.59 805.29,923 869.27,923 903.27,889 989,889 1017.64,917.64 1017.64,945.36 1031.94,959.66 1256.95,959.66 1257.62,960.34 1262.1,960.34 v1(1264.21,962.44)
SD_VDD: C20.1 C21.1 C35.2 C36.1 C37.1 C61.1 D6.1 J5.P$4 R79.2 R80.2 U3.4 U8.14 | length 584.7
  Top w6: C21.1@1073.13,1130 C61.1@1073.13,1166 ; R80.2@1144,1167.3 R79.2@1181,1167.3 1181,1131.6 C20.1@1183.66,1128.94 1186.02,1126.57 1186.02,1109 ; U8.14@1186.02,1089.57 1186.02,1109 ; C35.2@1281.5,1098.43 1260.57,1098.43 1249,1110 1222.2,1110 1221.2,1109 1186.02,1109
  Top w10: C61.1@1073.13,1166 1074.13,1165 1109,1165 ; U3.4@1110.94,1203.64 1109,1201.7 1109,1165 ; R80.2@1144,1167.3 1141.7,1165 1109,1165 ; C35.2@1281.5,1098.43 1317.91,1098.43 D6.1@1354.33,1098.43 1347.47,1091.57 1347.47,1087.74 1346.82,1087.09 C37.1@1346.82,1027.92
  Bottom Layer w10: v3(1300.36,1083.38) 1304.18,1079.56 1323.03,1079.56 1329.59,1073 1367.29,1073 J5.P$4@1368.6,1074.31
  other v3: 1335,1073
SEUART_3.3V: B1.7 C28.1 C30.2 C31.1 C43.1 U4.9 U5.2 U5.3 U5.9 | length 706
  Top w4: v1@1026.18,532.81 1028.21,534.84 v1(1028.21,537.55)
  Top w6: C31.1@1026.18,513.78 v1@1026.18,532.81
  Top w8: v1(849.71,434.83) 876.31,461.43 U4.9@896.71,461.43
  L4P w10: v1@849,435 860,446 1046.96,446 ; v1(985.76,568.34) 986.84,568.34 v1@989.25,565.93 ; v1@989.28,565.93 1017.38,537.83 1027.93,537.83 1046.96,518.8 1046.96,446 ; v1(1046.96,373.56) 1046.96,446
  Bottom Layer w4: B1.7@948.82,567.91 948.82,591.19 958.66,601.03 C43.1@958.66,603.94 983.76,578.84 983.76,575.68 983.85,575.59 983.85,570.25 v1(985.76,568.34)
  Bottom Layer w8: C30.2@831.69,433.66 C28.1@868.11,433.66
  Bottom Layer w10: U5.3@1046.26,401.57 1046.26,374.26 v1(1046.96,373.56) 1047.22,373.82 1057.82,373.82 1063.98,379.98 U5.2@1063.98,401.57
  Bottom Layer w15: C28.1@868.11,432.68 C28.1@868.11,433.66
SEUART_RX: B1.1 U5.7 | length 48.2
  Bottom Layer w3: B1.1@968.5,544.29 984.71,544.29 993.11,535.89 U5.7@993.11,515.75
SEUART_RX_INT: B1.4 R74.1 U10.A14 | length 1187.7
  Top w3: v1(539.5,756.21) 545,756.21 cw(c557.5,756) 558.67,768.45 558.8,768.44 560.05,768.44 566.82,775.22 566.82,782.59 U10.A14@554.13,795.28
  L3V w3: v1(522.32,366.69) 521.24,367.77 521.24,409.24 570,458 570,655.1 526,699.1 526,730 542.47,746.47 542.47,748.95 541.61,749.81 541.61,754.1 v1(539.5,756.21)
  L8H w3: v1(522.32,366.69) 530.63,375 583.1,375 585.1,377 938,377 973,412 973,517 946,544 896.53,544 v1(896.24,544.29)
  Bottom Layer w10: R74.1@883.03,544.29 v1(896.24,544.29) B1.4@909.45,544.29
SEUART_TX: B1.8 U5.10 | length 116.9
  Bottom Layer w3: B1.8@968.5,567.91 968.5,565.94 972.91,561.54 974.88,561.54 985.13,551.29 987.61,551.29 988.87,550.03 1027.53,550.03 cw(c1028.21,537.55) 1028.9,550.03 1039.97,550.03 1046.26,543.74 U5.10@1046.26,515.75
SEUART_TX_INT: B1.5 R75.1 U10.A13 | length 1255.3
  Top w3: v1(557.5,756) 573.82,772.32 U10.A13@573.82,795.28
  L3V w3: v1(518.46,349.1) 519.73,350.37 519.73,352.44 520.6,353.31 521.48,354.19 521.95,354.19 ccw(c522.32,366.69) 528.45,355.79 534.49,355.79 536.24,357.55 536.24,414.34 577,455.1 577,658 533,702 533,724 554.39,745.39 554.39,749.91 557.5,753.02 v1(557.5,756)
  L8H w3: v1(518.46,349.1) 521.44,349.1 525.54,345 563,345 588,370 950,370 984,404 984,523 954,553 911.15,553 v1(896.24,567.91)
  Bottom Layer w10: R75.1@883.03,567.91 v1(896.24,567.91) B1.5@909.45,567.91
SHELL_GND: C110.1 J1.SH R41.1 | length 989.1
  L2G w20: J1.SH@762.38,277.76 J1.SH@762.38,113.19 762.38,84 1102.54,84 J1.SH@1102.54,113.19 J1.SH@1102.54,277.76
  Bottom Layer w6: J1.SH@1109,295 1109,310.91 1117.7,319.61 R41.1@1117.7,346
  Bottom Layer w8: J1.SH@1105,112 1106,111 C110.1@1146.87,111
  Bottom Layer w10: J1.SH@1102.54,113.19 J1.SH@1102.54,277.76
SR_VLX: L7.1 U15.34 | length 140
  Top w10: L7.1@29.53,1064.96 L7.1@29.58,1064.91 ; L7.1@70.87,1063.98 84.68,1063.98 92.48,1056.18 93.43,1056.18 98.47,1051.13 168.83,1051.13 186.02,1068.32 U15.34@186.02,1080.71
ST: IC1.8 Q3.1 R8.2 U10.W2 | length 1554.4
  Top w3: v1(790,1165) 790.35,1164.65 U10.W2@790.35,1149.61
  L3V w3: v1(886,158) 1044,158 1073.9,187.9 1073.9,277.9 1055,296.8 1055,334 1073.9,352.9 1073.9,475.1 1092,493.2 1092,893 1050,935 1050,1043 1067.13,1060.13 v1(1067.13,1088.61)
  L8H w3: v1(790,1165) 792.1,1162.9 792.1,1157.18 804.23,1145.05 998.95,1145.05 1042.41,1101.59 1055.41,1101.59 1067.13,1089.87 v1(1067.13,1088.61)
  Bottom Layer w3: Q3.1@870.36,211.07 871.1,211.07 874.52,207.65 874.52,199.03 878.07,195.48 R8.2@878.07,184.45 ; R8.2@881.43,184.51 879.41,182.49 879.41,174.41 874.35,169.35 874.35,162.25 IC1.8@870.08,157.99 v1(886,158)
SW_1V8: B3.5 L3.1 | length 83.7
  Bottom Layer w14: L3.1@626.54,129 L3.1@631.24,133.71 ; L3.1@630.24,133.71 B3.5@630.24,210.76
SW_3V3: B2.5 L2.1 | length 86.8
  Bottom Layer w8: B2.5@527.56,237.2 528.48,238.13 528.48,256.48 551.7,279.7 551.7,293.82 L2.1@565.94,308.07